# Altium PCB PCB.PcbDoc (part 1 of 3) (continued)
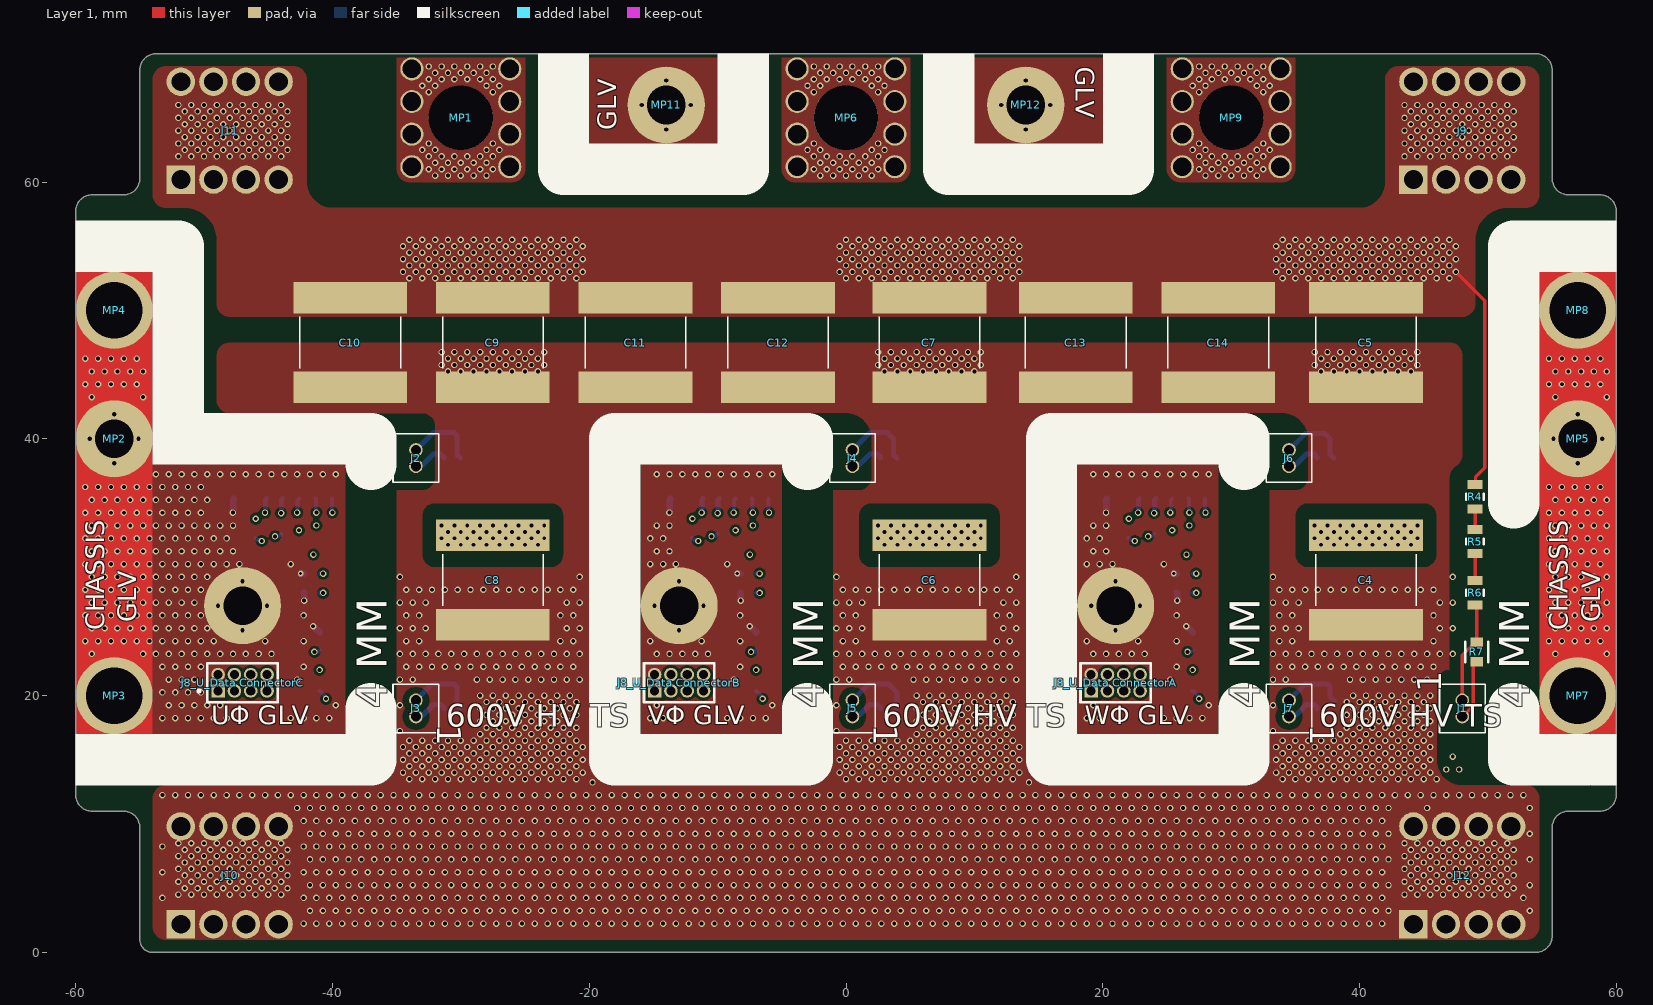
[diagram p0: Layer 1 view]
## Components (designator, comment, footprint, x,y, rotation, side; value= is the part's Value field where it differs from the comment)
C1_U_totemA "0.1µF 0603" "0µF 0603-Footprint-1" 25.4,32 r90 bottom (schematic designator C1)
C1_U_totemB "0.1µF 0603" "0µF 0603-Footprint-1" -8.6,32 r90 bottom (schematic designator C1)
C1_U_totemC "0.1µF 0603" "0µF 0603-Footprint-1" -42.6,32 r90 bottom (schematic designator C1)
C2_U_totemA "10µF 0603" "0µF 0603-Footprint-1" 26.4,28 r0 bottom (schematic designator C2)
C2_U_totemB "10µF 0603" "0µF 0603-Footprint-1" -7.6,28 r0 bottom (schematic designator C2)
C2_U_totemC "10µF 0603" "0µF 0603-Footprint-1" -41.6,28 r0 bottom (schematic designator C2)
C3_U_totemA "100nF 0603" "0µF 0603-Footprint-1" 26.4,29.5 r0 bottom (schematic designator C3)
C3_U_totemB "100nF 0603" "0µF 0603-Footprint-1" -7.6,29.5 r0 bottom (schematic designator C3)
C3_U_totemC "100nF 0603" "0µF 0603-Footprint-1" -41.6,29.5 r0 bottom (schematic designator C3)
C4 "B58031U9254M062" B58031U9254M062 40.5,29 r270 top
C5 "B58031U9254M062" B58031U9254M062 40.5,47.5 r270 top
C6 "B58031U9254M062" B58031U9254M062 6.5,29 r270 top
C7 "B58031U9254M062" B58031U9254M062 6.5,47.5 r270 top
C8 "B58031U9254M062" B58031U9254M062 -27.5,29 r270 top
C9 "B58031U9254M062" B58031U9254M062 -27.5,47.5 r270 top
C10 "B58031U9254M062" B58031U9254M062 -38.604,47.5 r270 top
C11 "B58031U9254M062" B58031U9254M062 -16.396,47.5 r270 top
C12 "B58031U9254M062" B58031U9254M062 -5.292,47.5 r270 top
C13 "B58031U9254M062" B58031U9254M062 17.896,47.5 r270 top
C14 "B58031U9254M062" B58031U9254M062 29,47.5 r270 top
FB1_U_totemA "MHF1608BAC182ATD25" BEADC1608X95N 26.9,32 r270 bottom (schematic designator FB1)
FB1_U_totemB "MHF1608BAC182ATD25" BEADC1608X95N -7.1,32 r270 bottom (schematic designator FB1)
FB1_U_totemC "MHF1608BAC182ATD25" BEADC1608X95N -41.1,32 r270 bottom (schematic designator FB1)
IC1_U_totemA "TMCS1126BFx" TMCS1126ADXQ1 23.5,40 r270 bottom (schematic designator IC1)
IC1_U_totemB "TMCS1126BFx" TMCS1126ADXQ1 -10.5,40 r270 bottom (schematic designator IC1)
IC1_U_totemC "TMCS1126BFx" TMCS1126ADXQ1 -44.5,40 r270 bottom (schematic designator IC1)
J1 "SLM-102-01-X-S" *SLM-102-01-X-S 48,19 r90 top
J2 "SLM-102-01-X-S" *SLM-102-01-X-S -33.5,38.5 r270 top
J3 "SLM-102-01-X-S" *SLM-102-01-X-S -33.5,19 r270 top
J4 "SLM-102-01-X-S" *SLM-102-01-X-S 0.5,38.5 r270 top
J5 "SLM-102-01-X-S" *SLM-102-01-X-S 0.5,19 r270 top
J6 "SLM-102-01-X-S" *SLM-102-01-X-S 34.5,38.5 r270 top
J7 "SLM-102-01-X-S" *SLM-102-01-X-S 34.5,19 r270 top
"J8_U_Data ConnectorA" "SFMC-104-01-L-D" *SAMTEC_SFMC-104-01-L-D_SFMC-104-01-L-D(PRIMARY) 21,21 r0 top (schematic designator J8)
"J8_U_Data ConnectorB" "SFMC-104-01-L-D" *SAMTEC_SFMC-104-01-L-D_SFMC-104-01-L-D(PRIMARY) -13,21 r0 top (schematic designator J8)
"J8_U_Data ConnectorC" "SFMC-104-01-L-D" *SAMTEC_SFMC-104-01-L-D_SFMC-104-01-L-D(PRIMARY) -47,21 r0 top (schematic designator J8)
J9 "7461084" 7461084 48,64 r0 top
J10 "7461084" 7461084 -48,6 r0 top
J11 "7461084" 7461084 -48,64 r0 top
J12 "7461084" 7461084 48,6 r0 top
MP1 "M5 x 6mm" 7460305_HAL -30,65 r90 top
MP2 "LCC 3mm" "PAD 3MM" -57,40 r0 top
MP3 "hole 3.3mm x 6mm" 9774060960 -57,20 r90 top
MP4 "hole 3.3mm x 6mm" 9774060960 -57,50 r90 top
MP5 "LCC 3mm" "PAD 3MM" 57,40 r90 top
MP6 "M5 x 6mm" 7460305_HAL 0,65 r90 top
MP7 "hole 3.3mm x 6mm" 9774060960 57,20 r90 top
MP8 "hole 3.3mm x 6mm" 9774060960 57,50 r90 top
MP9 "M5 x 6mm" 7460305_HAL 30,65 r90 top
MP10_U_totemA "LCC 3mm" "PAD 3MM" 21,27 r90 bottom (schematic designator MP10)
MP10_U_totemB "LCC 3mm" "PAD 3MM" -13,27 r90 bottom (schematic designator MP10)
MP10_U_totemC "LCC 3mm" "PAD 3MM" -47,27 r90 bottom (schematic designator MP10)
MP11 "LCC 3mm" "PAD 3MM" -14,66 r0 top
MP12 "LCC 3mm" "PAD 3MM" 14,66 r0 top
Q1_U_totemA "GEM T2PAK" "GEM T2PAK H3.6" 40.5,46.5 r180 bottom (schematic designator Q1)
Q1_U_totemB "GEM T2PAK" "GEM T2PAK H3.6" 6.5,46.5 r180 bottom (schematic designator Q1)
Q1_U_totemC "GEM T2PAK" "GEM T2PAK H3.6" -27.5,46.5 r180 bottom (schematic designator Q1)
Q2_U_totemA "GEM T2PAK" "GEM T2PAK H3.6" 40.5,27 r180 bottom (schematic designator Q2)
Q2_U_totemB "GEM T2PAK" "GEM T2PAK H3.6" 6.5,27 r180 bottom (schematic designator Q2)
Q2_U_totemC "GEM T2PAK" "GEM T2PAK H3.6" -27.5,27 r180 bottom (schematic designator Q2)
R1_U_totemA "10k" "RES 0603_1608"#1 27,21 r90 bottom value=1k (schematic designator R1)
R1_U_totemB "10k" "RES 0603_1608"#1 -7,21 r90 bottom value=1k (schematic designator R1)
R1_U_totemC "10k" "RES 0603_1608"#1 -41,21 r90 bottom value=1k (schematic designator R1)
R2_U_totemA "2.1kΩ" "RES 0603_1608"#2 22,32.9 r270 bottom (schematic designator R2)
R2_U_totemB "2.1kΩ" "RES 0603_1608"#2 -12,32.9 r270 bottom (schematic designator R2)
R2_U_totemC "2.1kΩ" "RES 0603_1608"#2 -46,32.9 r270 bottom (schematic designator R2)
R3_U_totemA "1.2kΩ" "RES 0603_1608"#2 24,32 r270 bottom (schematic designator R3)
R3_U_totemB "1.2kΩ" "RES 0603_1608"#2 -10,32 r270 bottom (schematic designator R3)
R3_U_totemC "1.2kΩ" "RES 0603_1608"#2 -44,32 r270 bottom (schematic designator R3)
R4 "KTR10EZPJ135" FP-KTR10-MFG 49,35.5 r90 top
R5 "KTR10EZPJ135" FP-KTR10-MFG 49,32 r90 top
R6 "KTR10EZPJ135" FP-KTR10-MFG 49,28 r90 top
R7 "CRCW06035K60FKEA" FP-CRCW0603-e3-MFG 49.129,23.397 r90 top
"RT1_U_Data ConnectorA" "NCU18XH103F6SRB" FP-NCU18-0_15-IPC_B 27,24.208 r270 bottom (schematic designator RT1)
"RT1_U_Data ConnectorB" "NCU18XH103F6SRB" FP-NCU18-0_15-IPC_B -7,24.208 r270 bottom (schematic designator RT1)
"RT1_U_Data ConnectorC" "NCU18XH103F6SRB" FP-NCU18-0_15-IPC_B -41,24.208 r270 bottom (schematic designator RT1)

## Footprints (in the part's own frame and the unit in brackets; to place one, negate y for a bottom-side part, rotate by r counter-clockwise, add the part's x,y. Pads: shape width x height; smd on the part's side, far side on the other; paste and mask are expansions set on the pad)
"0µF 0603-Footprint-1" [mm]
  rect 0.6x0.9 smd: 1(-0.625,0) 2(0.625,0)
  silkscreen extent 0,-0.48 0,0.47, body extent -0.8,-0.41 0.8,0.41, height 0.82
7460305_HAL [mm] "WP-BUTR Bushes with two Rows Pin-Plate, M5, blind thr 6mm"
  round 1.8 hole 1.45: 1(-3.81,-3.81) 1(-3.81,3.81) 1(-1.27,3.81) 1(-1.27,-3.81) 1(1.27,3.81) 1(1.27,-3.81) 1(3.81,-3.81) 1(3.81,3.81)
  round 5 hole 5: 1(0,0)
  body extent -4.5,-4.5 4.5,4.5, height 7
7461084 [mm]
  rect 2.213x2.213 hole 1.475: 1(-3.81,-3.81)
  round 2.213 hole 1.475: 2(-1.27,-3.81) 3(1.27,-3.81) 4(3.81,-3.81) 5(3.81,3.81) 6(1.27,3.81) 7(-1.27,3.81) 8(-3.81,3.81)
  body extent -5.06,-5.06 4.94,4.94, height 13.5
9774060960 [mm] "SMT Steel Spacer Internal hole diameter 3.3mm non stop, height 6mm"
  round 6 hole 4.4: 1(0,0)
  body extent -3,-3 3,3, height 6
*SAMTEC_SFMC-104-01-L-D_SFMC-104-01-L-D(PRIMARY) [mm]
  rect 1.06x1.06 hole 0.71: 01(-1.905,-0.635)
  round 1.06 hole 0.71: 02(-1.905,0.635) 03(-0.635,-0.635) 04(-0.635,0.635) 05(0.635,-0.635) 06(0.635,0.635) 07(1.905,-0.635) 08(1.905,0.635)
  silkscreen extent -3.48,-1.53 2.74,1.53, body extent -2.73,-1.99 2.73,1.99, height 4.7
*SLM-102-01-X-S [mil]
  round 42 hole 31: 1(25,0) 2(-25,0)
  silkscreen extent -74,-70 74,70, body extent -54,-50 54,50, height 180
B58031U9254M062 [mm]
  rect 2.45x8.85 smd mask+0.1: 1(-3.475,0) 2(3.475,0)
  silkscreen extent -2,-3.93 2,3.93, body extent -3.57,-3.93 3.57,3.93, height 4
BEADC1608X95N [mm]
  rect 0.9x1 smd: 1(-0.8,0) 2(0.8,0)
  silkscreen extent 0,-0.3 0,0.3, body extent -0.8,-0.4 0.8,0.4, height 0.95
FP-CRCW0603-e3-MFG [mm]
  rect 0.75x1 smd paste+0 mask+0: 1(-0.75,0) 2(0.75,0)
  silkscreen extent -0.8,-0.9 0.8,0.9, body extent -0.77,-0.43 0.77,0.43, height 0.5
FP-KTR10-MFG [mm]
  rect 0.7x1.15 smd paste+0 mask+0: 1(-0.95,0) 2(0.95,0)
  silkscreen extent -0.23,-0.67 0.23,0.67, body extent -1,-0.63 1,0.63, height 0.65
FP-NCU18-0_15-IPC_B [mm]
  rect 1.106x0.958 smd paste+0 mask+0: 1(-0.676,0) 2(0.676,0)
  silkscreen extent -1.23,-0.88 1.23,0.88, body extent -0.8,-0.4 0.8,0.4, height 0.95
"GEM T2PAK H3.6" [mm]
  rect 2.45x1.5 smd mask+0.01: D(-6.125,8.75) D(6.125,8.75)
  rect 0.9x3 smd mask+0.01: G(3.81,-8) KS(2.54,-8) S(-3.81,-8) S(-2.54,-8) S(-1.27,-8) S(0,-8) S(1.27,-8)
  silkscreen extent -7.25,-4.5 7.25,6, body extent -6.99,-9.4 7.02,9.18, height 3.56
"PAD 3MM" [mm]
  round 6 hole 3 paste+0 mask+0: 1(0,0)
"RES 0603_1608"#1 [mm] "Chip Resistor, 2-Leads, Body 1.60x0.80mm, IPC Medium Density"
  rect 0.85x0.95 smd: 1(-0.65,0) 2(0.65,0)
  silkscreen extent -1.27,-0.7 1.27,0.7, body extent -0.8,-0.4 0.8,0.4, height 0.45
"RES 0603_1608"#2 [mm]
  rect 0.65x0.85 smd: 1(-0.6,0) 2(0.6,0)
  silkscreen extent 0,-0.38 0,0.38, body extent -0.8,-0.4 0.8,0.4, height 0.45
TMCS1126ADXQ1 [mm]
  rect 2x4.41 smd: 1(-4.65,2.54) 2(-4.65,-2.54)
  rect 2x0.6 smd: 3(4.65,-4.445) 4(4.65,-3.175) 5(4.65,-1.905) 6(4.65,-0.635) 7(4.65,0.635) 8(4.65,1.905) 9(4.65,3.175) 10(4.65,4.445)
  body extent -3.75,-5.15 3.75,5.15, height 2.75

## Part data
C1_U_totemA C1_U_totemB C1_U_totemC C2_U_totemA C2_U_totemB C2_U_totemC C3_U_totemA C3_U_totemB C3_U_totemC: library part CMP-714-000037-1, "Generic 0603 Capacitor", componentlink1description=Datasheet, ComponentLink2Description="DigiKey Link"
C4 C5 C6 C7 C8 C9 C10 C11 C12 C13 C14: "Capacitor", Manufacturer_Name=TDK, Mouser Part Number=871-B58031U9254M062, Arrow Part Number=B58031U9254M062, Arrow Price/Stock=https://www.arrow.com/en/products/b58031u9254m062/tdk?region=europe, Datasheet Link=https://product.tdk.com/system/files/dam/doc/product/capacitor/ceramic/ceralink/data_sheet/20/10/ds/b58031_lp.pdf, Height=4.5mm, Manufacturer_Part_Number=B58031U9254M062, Mouser Price/Stock=https://www.mouser.co.uk/ProductDetail/EPCOS-TDK/B58031U9254M062?qs=Mv7BduZupUir5egwM6Ifng%3D%3D
FB1_U_totemA FB1_U_totemB FB1_U_totemC: "Filter", Manufacturer_Name=TDK, Mouser Part Number=810-MHF1608BAC182ATD, Arrow Part Number=MHF1608BAC182ATD25, Arrow Price/Stock=https://www.arrow.com/en/products/mhf1608bac182atd25/tdk?region=europe, Datasheet Link=https://product.tdk.com/system/files/dam/doc/product/emc/emc/suppression-filter/catalog/suppression-filter_automotive_mhf1608_en.pdf, Height=0.95mm, Manufacturer_Part_Number=MHF1608BAC182ATD25, Mouser Price/Stock=https://www.mouser.co.uk/ProductDetail/TDK/MHF1608BAC182ATD25?qs=sPbYRqrBIVkck8qVgrG13Q%3D%3D
IC1_U_totemA IC1_U_totemB IC1_U_totemC: library part TMCS1126ADx-Q1, "Integrated Circuit", Manufacturer_Name="Texas Instruments", Datasheet Link=https://www.ti.com/lit/ds/symlink/tmcs1126-q1.pdf?ts=1750416569069&ref_url=https%253A%252F%252Fwww.ti.com%252Fproduct%252FTMCS1126-Q1, Height=2.65mm, Manufacturer_Part_Number=TMCS1126ADx-Q1
J9 J10 J11 J12: "Connector", Manufacturer_Name="Wurth Elektronik", Mouser Part Number=710-7461084, Datasheet Link=https://www.we-online.com/components/products/download/3D+%28rev1%29.pdf, Height=13.5mm, Manufacturer_Part_Number=7461084, Mouser Price/Stock=https://www.mouser.co.uk/ProductDetail/Wurth-Elektronik/7461084?qs=lykWx4dhCCHlOeuPuO4BAQ%3D%3D
MP1 MP6 MP9: library part 7460305, "WP-BUTR REDCUBE PRESS-FIT with internal thread, two-rows, L9W9H7mm, M5 x 6mm, 160A", Manufacturer="Wurth Elektronik", Operating Temperature Max=150°C, Operating Temperature Min=-55°C, Rated Current=160A, Category="REDCUBE PRESS-FIT", componentlink1description="Website Link", componentlink1url=https://www.we-online.com/redexpert/article/7460305?ad, ComponentLink2Description="Datasheet Link", ComponentLink2URL=https://www.we-online.com/redexpert/spec/7460305?ad, Height=7mm, Length=9mm, Manufacturer Part Number=7460305, Match Code=WP-BUTR, Material=Brass, Mount="Press Fit", Number of Pins=8, packaging=Bulk, Surface=Tin, Thread Length=6mm, Thread Size=M5, Width=9mm
MP3 MP4 MP7 MP8: library part 9774060960R, "WA-SMST SMT Steel Spacer, OD 6mm, hole 3.3mm x 6mm", Manufacturer="Wurth Elektronik", Operating Temperature Max=150°C, Operating Temperature Min=-55°C, Category="SMT Spacers", componentlink1description="Website Link", componentlink1url=https://www.we-online.com/redexpert/article/9774060960R?ad, ComponentLink2Description="Datasheet Link", ComponentLink2URL=https://www.we-online.com/redexpert/spec/9774060960R?ad, Height=6mm, Inside Diameter=3.3mm, Manufacturer Part Number=9774060960R, Match Code=WA-SMST, Material=Steel, Mount="Surface Mount", Outside Diameter=6mm, packaging="Tape and Reel", Surface=Tin
R1_U_totemA R1_U_totemB R1_U_totemC: library part RNCS0603BKE10K0, "RES 10K OHM 0.1% 1/16W 0603", Device Package="0603 (1608 Metric)", Manufacturer="Stackpole Electronics Inc", Operating Temperature="-55°C ~ 155°C", Power (Watts)="0.063W, 1/16W", Ratings=AEC-Q200, Resistance="10 kOhms", Supplier Device Package=0603, Supplier Part Number 1=RNCS0603BKE10K0CT-ND, Temperature Coefficient=±25ppm/°C, Tolerance=±0.1%, componentlink1description=Datasheet, componentlink1url=https://www.seielect.com/catalog/sei-rncs_rnch.pdf, ComponentLink2Description="DigiKey Link", ComponentLink2URL=https://www.digikey.com/en/products/detail/stackpole-electronics-inc/RNCS0603BKE10K0/1708836, Composition="Thin Film", Features="Anti-Corrosive, Automotive AEC-Q200, Moisture Resistant", Height - Seated (Max)="0.022\" (0.55mm)", lastupdated="2/9/2024 8:43:37 PM", Lifecycle Status=Active, Minimum Order=1, Number of Terminations=2, Package / Case="0603 (1608 Metric)", packaging=TapeAndReel, Part Number=RNCS0603BKE10K0, Part Status=Active, partid=4838, Price=0.06, Series=RNCS, Size / Dimension="0.061\" L x 0.031\" W (1.55mm x 0.80mm)", Supplier 1=DigiKey
R2_U_totemA R2_U_totemB R2_U_totemC R3_U_totemA R3_U_totemB R3_U_totemC: library part CMP-650-000035-3, "Generic 0603 Resistor"
R4 R5 R6: library part CMP-08839-031194-1, "Res Thick Film 0805 1.3MΩ 5% 0.125W ±200ppm/°C Automotive Paper T/R", Case/Package=0805, Max Operating Temperature=155°C, Max Power Dissipation=125mW, Min Operating Temperature=-55°C, Package Quantity=5000, Resistance=1.3MR, Resistor Type="Thick Film", Temperature Coefficient=200ppm/°C, Tolerance=5%, Height=0.026inch, Length=0.079inch, Number of Terminations=2, packaging="Tape and Reel", RoHS Compliant=Yes, Series=KTR10, Width=0.049inch
R7: library part CMP-2000-03487-2, "RES Thick Film, 5.6kΩ, 1%, 0.1W, 100ppm/°C, 0603", Case Code (Imperial)=0603, Case Code (Metric)=1608, Max Operating Temperature=155°C, Min Operating Temperature=-55°C, Package Quantity=5000, Power Rating=100mW, Resistance=5.6kR, Temperature Coefficient=100ppm/°C, Tolerance=1%, Voltage Rating=75V, Case/Package=0603, Composition="Thick Film", Contact Plating=Tin, Depth=0.85mm, Height=0.45mm, Lead Free="Lead Free", Length=1.55mm, Military Standard=Not, Mount="Surface Mount", Number of Pins=2, Number of Terminations=2, packaging="Tape and Reel", Radiation Hardening=No, Termination=SMD/SMT, Voltage Rating (DC)=75V, Weight=7.1E-05oz, Width=0.85mm, Working Voltage=75V
"RT1_U_Data ConnectorA" "RT1_U_Data ConnectorB" "RT1_U_Data ConnectorC": library part CMP-06022-000547-2, "THERMISTOR NTC", Case Code (Imperial)=0603, Case Code (Metric)=1608, Max Operating Temperature=150°C, Min Operating Temperature=-40°C, Case/Package=0603, REACH SVHC="No SVHC", RoHS Compliant=Yes

## Via types
v1: diameter 0.5, hole 0.3, Layer 1 to Layer 4, tented both sides, 3066 vias
v2: diameter 0.635, hole 0.33, Layer 1 to Layer 4, tented both sides, 21 vias
v3: diameter 0.635, hole 0.33, Layer 1 to Layer 4, 7 vias
v4: diameter 0.45, hole 0.25, Layer 1 to Layer 4, tented both sides, 3 vias

## Nets (pads, with @x,y where several pads share a name; then routed paths per layer and width w, separated by ;. In a path a pad name is that pad's centre, name@x,y a point inside that pad or via, vN(x,y) a via of type N, cw(c..) or ccw(c..) an arc to the next point about the centre after c; other vN are vias at no path point)
3V_U_totemA: "J8_U_Data ConnectorA.03" C2_U_totemA.2 C3_U_totemA.2 FB1_U_totemA.2 R1_U_totemA.2 | length 18.5
  Layer 3 w0.4: 20.365,20.365 20.365,20.32 21.25,19.435 21.295,19.435 21.876,18.854 23.531,18.854 24.112,19.435 24.435,19.435 27.019,22.019 27.019,22.846 27.275,23.102 v1(27.275,28) v1(27.275,29.5) 26.519,30.256 v1(26.519,30.981)
  Layer 4 w0.4: C2_U_totemA.2@27.025,28 v1(27.275,28) ; C3_U_totemA.2@27.025,29.5 v1(27.275,29.5)
  other v1: 27,22
3V_U_totemB: "J8_U_Data ConnectorB.03" C2_U_totemB.2 C3_U_totemB.2 FB1_U_totemB.2 R1_U_totemB.2 | length 18.5
  Layer 3 w0.4: -13.635,20.365 -13.635,20.32 -12.75,19.435 -12.705,19.435 -12.124,18.854 -10.469,18.854 -9.888,19.435 -9.565,19.435 -6.981,22.019 -6.981,22.846 -6.725,23.102 v1(-6.725,28) v1(-6.725,29.5) -7.481,30.256 v1(-7.481,30.981)
  Layer 4 w0.4: C2_U_totemB.2@-6.975,28 v1(-6.725,28) ; C3_U_totemB.2@-6.975,29.5 v1(-6.725,29.5)
  other v1: -7,22
3V_U_totemC: "J8_U_Data ConnectorC.03" C2_U_totemC.2 C3_U_totemC.2 FB1_U_totemC.2 R1_U_totemC.2 | length 18.5
  Layer 3 w0.4: -47.635,20.365 -47.635,20.32 -46.75,19.435 -46.705,19.435 -46.124,18.854 -44.469,18.854 -43.888,19.435 -43.565,19.435 -40.981,22.019 -40.981,22.846 -40.725,23.102 v1(-40.725,28) v1(-40.725,29.5) -41.481,30.256 v1(-41.481,30.981)
  Layer 4 w0.4: C2_U_totemC.2@-40.975,28 v1(-40.725,28) ; C3_U_totemC.2@-40.975,29.5 v1(-40.725,29.5)
  other v1: -41,22
\O\C\_\D\E\T\_U_totemA: "J8_U_Data ConnectorA.01" IC1_U_totemA.3 R1_U_totemA.1 | length 26.8
  Layer 3 w0.3: 19.095,20.365 21.156,18.304 23.759,18.304 24.34,18.885 26.689,18.885 27.5,19.696 v1(27.5,19.75) 27.554,19.75 28.25,20.446 28.25,27.196 28,27.446 v1(28,34.25)
  Layer 4 w0.3: R1_U_totemA.1@27,20.35 27.05,20.35 27.462,19.938 27.462,19.788 v1(27.5,19.75) ; IC1_U_totemA.3@27.945,35.35 27.972,35.322 27.972,34.278 v1(28,34.25)
\O\C\_\D\E\T\_U_totemB: "J8_U_Data ConnectorB.01" IC1_U_totemB.3 R1_U_totemB.1 | length 26.8
  Layer 3 w0.3: -14.905,20.365 -12.844,18.304 -10.241,18.304 -9.66,18.885 -7.311,18.885 -6.5,19.696 v1(-6.5,19.75) -6.446,19.75 -5.75,20.446 -5.75,27.196 -6,27.446 v1(-6,34.25)
  Layer 4 w0.3: R1_U_totemB.1@-7,20.35 -6.95,20.35 -6.538,19.938 -6.538,19.788 v1(-6.5,19.75) ; IC1_U_totemB.3@-6.055,35.35 -6.028,35.322 -6.028,34.278 v1(-6,34.25)
\O\C\_\D\E\T\_U_totemC: "J8_U_Data ConnectorC.01" IC1_U_totemC.3 R1_U_totemC.1 | length 26.8
  Layer 3 w0.3: -48.905,20.365 -46.844,18.304 -44.241,18.304 -43.66,18.885 -41.311,18.885 -40.5,19.696 v1(-40.5,19.75) -40.446,19.75 -39.75,20.446 -39.75,27.196 -40,27.446 v1(-40,34.25)
  Layer 4 w0.3: R1_U_totemC.1@-41,20.35 -40.95,20.35 -40.538,19.938 -40.538,19.788 v1(-40.5,19.75) ; IC1_U_totemC.3@-40.055,35.35 -40.028,35.322 -40.028,34.278 v1(-40,34.25)
A_G_IN_U_totemA: J6.1 Q1_U_totemA.G | length 2.8
  Layer 4 w0.4: J6.1@34.5,37.865 34.628,37.993 35.052,37.993 35.874,38.815 36.44,38.815 36.69,38.565 Q1_U_totemA.G@36.69,38.5
A_G_IN_U_totemB: J4.1 Q1_U_totemB.G | length 2.8
  Layer 4 w0.4: J4.1@0.5,37.865 0.628,37.993 1.052,37.993 1.874,38.815 2.44,38.815 2.69,38.565 Q1_U_totemB.G@2.69,38.5
A_G_IN_U_totemC: J2.1 Q1_U_totemC.G | length 2.8
  Layer 4 w0.4: J2.1@-33.5,37.865 -33.372,37.993 -32.948,37.993 -32.126,38.815 -31.56,38.815 -31.31,38.565 Q1_U_totemC.G@-31.31,38.5
A_LOW_U_totemA: J6.2 Q1_U_totemA.KS | length 5.5
  Layer 4 w0.4: J6.2@34.5,39.135 35.765,40.4 37.306,40.4 37.71,39.996 37.71,38.75 Q1_U_totemA.KS@37.96,38.5
A_LOW_U_totemB: J4.2 Q1_U_totemB.KS | length 5.6
  Layer 4 w0.4: J4.2@0.5,39.135 1.865,40.5 3.206,40.5 3.71,39.996 3.71,38.75 Q1_U_totemB.KS@3.96,38.5
A_LOW_U_totemC: J2.2 Q1_U_totemC.KS | length 5.7
  Layer 4 w0.4: J2.2@-33.5,39.135 -32.135,40.5 -30.524,40.5 -30.29,40.266 -30.29,38.75 Q1_U_totemC.KS@-30.04,38.5
B_G_IN_U_totemA: J7.1 Q2_U_totemA.G | length 2.8
  Layer 4 w0.4: J7.1@34.5,18.365 34.628,18.493 35.052,18.493 35.874,19.315 36.44,19.315 36.69,19.065 Q2_U_totemA.G@36.69,19
B_G_IN_U_totemB: J5.1 Q2_U_totemB.G | length 2.8
  Layer 4 w0.4: J5.1@0.5,18.365 0.628,18.493 1.052,18.493 1.874,19.315 2.44,19.315 2.69,19.065 Q2_U_totemB.G@2.69,19
B_G_IN_U_totemC: J3.1 Q2_U_totemC.G | length 2.8
  Layer 4 w0.4: J3.1@-33.5,18.365 -33.372,18.493 -32.948,18.493 -32.126,19.315 -31.56,19.315 -31.31,19.065 Q2_U_totemC.G@-31.31,19
B_LOW_U_totemA: J7.2 Q2_U_totemA.KS | length 5
  Layer 4 w0.4: J7.2@34.5,19.635 35.765,20.9 37.476,20.9 37.71,20.666 37.71,19.894 Q2_U_totemA.KS@38,19.604
B_LOW_U_totemB: J5.2 Q2_U_totemB.KS | length 5.5
  Layer 4 w0.4: J5.2@0.5,19.635 1.765,20.9 3.306,20.9 3.96,20.246 3.96,20.05 3.96,19.525 Q2_U_totemB.KS@3.96,19
B_LOW_U_totemC: J3.2 Q2_U_totemC.KS | length 5.6
  Layer 4 w0.4: J3.2@-33.5,19.635 -32.235,20.9 -30.524,20.9 -30.29,20.666 -30.29,19.25 Q2_U_totemC.KS@-30.04,19
CHASSIS_L: "J8_U_Data ConnectorC.02" "RT1_U_Data ConnectorC.1" C1_U_totemC.1 C2_U_totemC.1 C3_U_totemC.1 IC1_U_totemC.9 MP2.1 MP3.1 MP4.1 MP10_U_totemC.1 R3_U_totemC.2 | length 2.8
  Layer 4 w0.508: v1(-47.75,34.25) -47.721,34.279 -47.721,35.304 IC1_U_totemC.9@-47.675,35.35 ; v4(-42.475,29.5) C3_U_totemC.1@-42.225,29.5 ; C2_U_totemC.1@-42.225,28 -42.2,28 v1(-42.2,27.4) ; v1(-41.5,25.4) -41.283,25.183 -41.225,25.183 -41,24.958 -41,24.884
  other v1: -53.246,18.245 -52.246,18.245 -51.246,18.245 -50.246,18.245 -49.246,18.245 -48.246,18.245 -43.246,18.245 -42.246,18.245 -41.246,18.245 -40.246,18.245 -52.746,19.245 -51.746,19.245 -50.746,19.245 -49.746,19.245 -48.746,19.245 -39.746,19.245 -53.246,20.245 -52.246,20.245 -51.246,20.245 -50.246,20.245 -52.746,21.245 -51.746,21.245 -50.746,21.245 -42.746,21.245 -53.246,22.245 -52.246,22.245 -51.246,22.245 -50.246,22.245 -42.246,22.245 -58.746,23.245 -54.746,23.245 -53.746,23.245 -52.746,23.245 -51.746,23.245 -50.746,23.245 -49.746,23.245 -48.746,23.245 -47.746,23.245 -46.746,23.245 -45.746,23.245 -44.746,23.245 -59.246,24.245 -58.246,24.245 -57.246,24.245 -56.246,24.245 -55.246,24.245 -54.246,24.245 -53.246,24.245 -52.246,24.245 -51.246,24.245 -50.246,24.245 -49.246,24.245 -45.246,24.245 -42.246,24.245 -58.746,25.245 -57.746,25.245 -56.746,25.245 -55.746,25.245 -54.746,25.245 -53.746,25.245 -52.746,25.245 -51.746,25.245 -50.746,25.245 -49.746,25.245 -59.246,26.245 -58.246,26.245 -57.246,26.245 -56.246,26.245 -55.246,26.245 -54.246,26.245 -53.246,26.245 -52.246,26.245 -51.246,26.245 -50.246,26.245 -42.246,26.245 -58.746,27.245 -57.746,27.245 -56.746,27.245 -55.746,27.245 -54.746,27.245 -53.746,27.245 -52.746,27.245 -51.746,27.245 -50.746,27.245 -59.246,28.245 -58.246,28.245 -57.246,28.245 -56.246,28.245 -55.246,28.245 -54.246,28.245 -53.246,28.245 -52.246,28.245 -51.246,28.245 -50.246,28.245 -58.746,29.245 -57.746,29.245 -56.746,29.245 -55.746,29.245 -54.746,29.245 -53.746,29.245 -52.746,29.245 -51.746,29.245 -50.746,29.245 -49.746,29.245 -59.246,30.245 -58.246,30.245 -57.246,30.245 -56.246,30.245 -55.246,30.245 -54.246,30.245 -53.246,30.245 -52.246,30.245 -51.246,30.245 -50.246,30.245 -49.246,30.245 -48.246,30.245 -47.246,30.245 -43.246,30.245 -58.746,31.245 -57.746,31.245 -56.746,31.245 -55.746,31.245 -54.746,31.245 -53.746,31.245 -52.746,31.245 -51.746,31.245 -50.746,31.245 -49.746,31.245 -48.746,31.245 -47.746,31.245 -59.246,32.245 -58.246,32.245 -57.246,32.245 -56.246,32.245 -55.246,32.245 -54.246,32.245 -53.246,32.245 -52.246,32.245 -51.246,32.245 -50.246,32.245 -49.246,32.245 -48.246,32.245 -58.746,33.245 -57.746,33.245 -56.746,33.245 -55.746,33.245 -54.746,33.245 -53.746,33.245 -52.746,33.245 -51.746,33.245 -50.746,33.245 -49.746,33.245 -48.746,33.245 -47.746,33.245 -59.246,34.245 -58.246,34.245 -57.246,34.245 -56.246,34.245 -55.246,34.245 -54.246,34.245 -53.246,34.245 -52.246,34.245 -51.246,34.245 -50.246,34.245 -58.746,35.245 -57.746,35.245 -56.746,35.245 -55.746,35.245 -54.746,35.245 -53.746,35.245 -52.746,35.245 -51.746,35.245 -50.746,35.245 -49.746,35.245 -59.246,36.245 -58.246,36.245 -57.246,36.245 -56.246,36.245 -55.246,36.245 -54.246,36.245 -53.246,36.245 -52.246,36.245 -51.246,36.245 -50.246,36.245 -53.746,37.245 -52.746,37.245 -51.746,37.245 -50.746,37.245 -49.746,37.245 -48.746,37.245 -47.746,37.245 -46.746,37.245 -45.746,37.245 -44.746,37.245 -43.746,37.245 -42.746,37.245 -41.746,37.245 -40.746,37.245 -39.746,37.245 -58.746,43.245 -54.746,43.245 -59.246,44.245 -58.246,44.245 -57.246,44.245 -56.246,44.245 -55.246,44.245 -58.746,45.245 -57.746,45.245 -56.746,45.245 -55.746,45.245 -54.746,45.245 -59.246,46.245 -58.246,46.245 -57.246,46.245 -56.246,46.245 -55.246,46.245
  other v2: -47,25.095 -48.905,27 -47,28.905 -57,38.095 -58.905,40 -55.095,40
  other v3: -45.095,27 -57,41.905
CHASSIS_R: MP5.1 MP7.1 MP8.1
  other v1: 55.255,23.245 59.255,23.245 54.755,24.245 55.755,24.245 56.755,24.245 57.755,24.245 58.755,24.245 55.255,25.245 56.255,25.245 57.255,25.245 58.255,25.245 59.255,25.245 54.755,26.245 55.755,26.245 56.755,26.245 57.755,26.245 58.755,26.245 55.255,27.245 56.255,27.245 57.255,27.245 58.255,27.245 59.255,27.245 54.755,28.245 55.755,28.245 56.755,28.245 57.755,28.245 58.755,28.245 55.255,29.245 56.255,29.245 57.255,29.245 58.255,29.245 59.255,29.245 54.755,30.245 55.755,30.245 56.755,30.245 57.755,30.245 58.755,30.245 55.255,31.245 56.255,31.245 57.255,31.245 58.255,31.245 59.255,31.245 54.755,32.245 55.755,32.245 56.755,32.245 57.755,32.245 58.755,32.245 55.255,33.245 56.255,33.245 57.255,33.245 58.255,33.245 59.255,33.245 54.755,34.245 55.755,34.245 56.755,34.245 57.755,34.245 58.755,34.245 55.255,35.245 56.255,35.245 57.255,35.245 58.255,35.245 59.255,35.245 54.755,36.245 55.755,36.245 56.755,36.245 57.755,36.245 58.755,36.245 55.255,43.245 59.255,43.245 54.755,44.245 55.755,44.245 56.755,44.245 57.755,44.245 58.755,44.245 55.255,45.245 56.255,45.245 57.255,45.245 58.255,45.245 59.255,45.245 54.755,46.245 55.755,46.245 56.755,46.245 57.755,46.245 58.755,46.245
  other v2: 57,38.095 58.905,40 57,41.905
  other v3: 55.095,40
CURR_SENSE_U_totemA_N: "J8_U_Data ConnectorA.04" IC1_U_totemA.7 R2_U_totemA.1 | length 20.3
  Layer 3 w0.381: 20.365,21.635 20.365,21.639 21.262,22.536 23.278,22.536 23.686,22.128 24.001,22.128 24.391,22.517 24.391,28.404 22.404,30.391 22.306,30.391 20.949,31.747 20.949,33.089 21.544,33.684 v1@22,33.684 ; v1@22,33.72 22,33.743 22.055,33.798 22.467,33.798 22.727,34.058 22.727,34.227 v1(22.75,34.25)
  Layer 4 w0.381: v1(22.75,34.25) 22.773,34.273 22.773,35.258 IC1_U_totemA.7@22.865,35.35
  other v1: 22.032,33.775
CURR_SENSE_U_totemA_P: "J8_U_Data ConnectorA.05" IC1_U_totemA.6 | length 22.1
  Layer 3 w0.381: 21.635,20.365 21.635,20.333 22.524,19.445 23.286,19.445 23.826,19.984 23.826,21.16 24.158,21.493 24.264,21.493 25.026,22.254 25.026,28.667 22.667,31.026 22.569,31.026 21.584,32.01 21.584,32.704 21.652,32.772 21.652,32.894 21.663,32.883 21.763,32.883 21.786,32.906 22.837,32.906 23.619,33.688 23.619,33.837 v1(24,34.218)
  Layer 4 w0.381: IC1_U_totemA.6@24.135,35.35 24.026,35.24 v1@24.026,34.308 ; v1@24.023,34.273 24.026,34.276 v1@24.026,34.308 ; v1@24.023,34.273 24,34.25 v1(24,34.218) 24.023,34.241 v1@24.023,34.273 ; v1@24.023,34.273 24.023,34.305 v1@24.026,34.308
CURR_SENSE_U_totemB_N: "J8_U_Data ConnectorB.04" IC1_U_totemB.7 R2_U_totemB.1 | length 20.3
  Layer 3 w0.381: -13.635,21.635 -13.635,21.639 -12.738,22.536 -10.722,22.536 -10.314,22.128 -9.999,22.128 -9.61,22.517 -9.61,28.404 -11.596,30.391 -11.694,30.391 -13.051,31.747 -13.051,33.089 -12.456,33.684 v1@-12,33.684 ; v1@-12,33.72 -12,33.743 -11.945,33.798 -11.533,33.798 -11.273,34.058 -11.273,34.227 v1(-11.25,34.25)
  Layer 4 w0.381: v1(-11.25,34.25) -11.227,34.273 -11.227,35.258 IC1_U_totemB.7@-11.135,35.35
  other v1: -11.968,33.775
CURR_SENSE_U_totemB_P: "J8_U_Data ConnectorB.05" IC1_U_totemB.6 | length 22.1
  Layer 3 w0.381: -12.365,20.365 -12.365,20.333 -11.476,19.445 -10.714,19.445 -10.175,19.984 -10.175,21.16 -9.842,21.493 -9.736,21.493 -8.975,22.254 -8.975,28.667 -11.333,31.026 -11.431,31.026 -12.416,32.01 -12.416,32.704 -12.348,32.772 -12.348,32.894 -12.337,32.883 -12.237,32.883 -12.214,32.906 -11.163,32.906 -10.381,33.688 -10.381,33.837 v1(-10,34.218)
  Layer 4 w0.381: IC1_U_totemB.6@-9.865,35.35 -9.975,35.24 v1@-9.975,34.308 ; v1@-9.977,34.273 -10,34.25 v1(-10,34.218) -9.977,34.241 v1@-9.977,34.273 ; v1@-9.977,34.273 -9.975,34.276 v1@-9.975,34.308 ; v1@-9.977,34.273 -9.977,34.305 v1@-9.975,34.308
CURR_SENSE_U_totemC_N: "J8_U_Data ConnectorC.04" IC1_U_totemC.7 R2_U_totemC.1 | length 20.3
  Layer 3 w0.381: -47.635,21.635 -47.635,21.639 -46.738,22.536 -44.722,22.536 -44.314,22.128 -43.999,22.128 -43.609,22.517 -43.609,28.404 -45.596,30.391 -45.694,30.391 -47.051,31.747 -47.051,33.089 -46.456,33.684 v1@-46,33.684 ; v1@-46,33.72 -46,33.743 -45.945,33.798 -45.533,33.798 -45.273,34.058 -45.273,34.227 v1(-45.25,34.25)
  Layer 4 w0.381: v1(-45.25,34.25) -45.227,34.273 -45.227,35.258 IC1_U_totemC.7@-45.135,35.35
  other v1: -45.968,33.775
CURR_SENSE_U_totemC_P: "J8_U_Data ConnectorC.05" IC1_U_totemC.6 | length 22.1
  Layer 3 w0.381: -46.365,20.365 -46.365,20.333 -45.476,19.445 -44.714,19.445 -44.174,19.984 -44.174,21.16 -43.842,21.493 -43.736,21.493 -42.974,22.254 -42.974,28.667 -45.333,31.026 -45.431,31.026 -46.416,32.01 -46.416,32.704 -46.348,32.772 -46.348,32.894 -46.337,32.883 -46.237,32.883 -46.214,32.906 -45.163,32.906 -44.381,33.688 -44.381,33.837 v1(-44,34.218)
  Layer 4 w0.381: IC1_U_totemC.6@-43.865,35.35 -43.974,35.24 v1@-43.974,34.308 ; v1@-43.977,34.273 -44,34.25 v1(-44,34.218) -43.977,34.241 v1@-43.977,34.273 ; v1@-43.977,34.273 -43.974,34.276 v1@-43.974,34.308 ; v1@-43.977,34.273 -43.977,34.305 v1@-43.974,34.308
"GND_U_Data ConnectorA": "J8_U_Data ConnectorA.02" "RT1_U_Data ConnectorA.1" C1_U_totemA.1 C2_U_totemA.1 C3_U_totemA.1 IC1_U_totemA.9 MP10_U_totemA.1 R3_U_totemA.2 | length 2.8
  Layer 4 w0.508: v1(20.25,34.25) 20.279,34.279 20.279,35.304 IC1_U_totemA.9@20.325,35.35 ; v4(25.525,29.5) C3_U_totemA.1@25.775,29.5 ; C2_U_totemA.1@25.775,28 25.8,28 v1(25.8,27.4) ; v1(26.5,25.4) 26.717,25.183 26.775,25.183 27,24.958 27,24.884
  other v1: 18.755,18.245 19.755,18.245 24.755,18.245 25.755,18.245 26.755,18.245 27.755,18.245 19.255,19.245 28.255,19.245 25.255,21.245 25.755,22.245 19.255,23.245 20.255,23.245 21.255,23.245 22.255,23.245 23.255,23.245 18.755,24.245 22.755,24.245 25.755,24.245 25.755,26.245 18.755,30.245 19.755,30.245 20.755,30.245 24.755,30.245 19.255,31.245 20.255,31.245 18.755,32.245 19.755,32.245 19.255,33.245 20.255,33.245 19.255,37.245 20.255,37.245 21.255,37.245 22.255,37.245 23.255,37.245 24.255,37.245 25.255,37.245 26.255,37.245 27.255,37.245 28.255,37.245
  other v2: 21,25.095 19.095,27 21,28.905
  other v3: 22.905,27
"GND_U_Data ConnectorB": "J8_U_Data ConnectorB.02" "RT1_U_Data ConnectorB.1" C1_U_totemB.1 C2_U_totemB.1 C3_U_totemB.1 IC1_U_totemB.9 MP10_U_totemB.1 R3_U_totemB.2 | length 2.8
  Layer 4 w0.508: v1(-13.75,34.25) -13.721,34.279 -13.721,35.304 IC1_U_totemB.9@-13.675,35.35 ; v4(-8.475,29.5) C3_U_totemB.1@-8.225,29.5 ; C2_U_totemB.1@-8.225,28 -8.2,28 v1(-8.2,27.4) ; v1(-7.5,25.4) -7.283,25.183 -7.225,25.183 -7,24.958 -7,24.884
  other v1: -15.245,18.245 -14.245,18.245 -9.245,18.245 -8.245,18.245 -7.245,18.245 -6.245,18.245 -14.745,19.245 -5.745,19.245 -8.745,21.245 -8.245,22.245 -14.745,23.245 -13.745,23.245 -12.745,23.245 -11.745,23.245 -10.745,23.245 -15.245,24.245 -11.245,24.245 -8.245,24.245 -8.245,26.245 -15.245,30.245 -14.245,30.245 -13.245,30.245 -9.245,30.245 -14.745,31.245 -13.745,31.245 -15.245,32.245 -14.245,32.245 -14.745,33.245 -13.745,33.245 -14.745,37.245 -13.745,37.245 -12.745,37.245 -11.745,37.245 -10.745,37.245 -9.745,37.245 -8.745,37.245 -7.745,37.245 -6.745,37.245 -5.745,37.245
  other v2: -13,25.095 -14.905,27 -13,28.905
  other v3: -11.095,27
HV+_1: C4.1 C5.1 C6.1 C7.1 C8.1 C9.1 C10.1 C11.1 C12.1 C13.1 C14.1 J9.1 J9.2 J9.3 J9.4 J9.5 J9.6 J9.7 J9.8 J11.1 J11.2 J11.3 J11.4 J11.5 J11.6 J11.7 J11.8 Q1_U_totemA.D Q1_U_totemB.D Q1_U_totemC.D R4.2 | length 17.8
  Layer 1 w0.254: v1(47.5,53) 49.75,50.75 49.75,37.75 49.032,37.032 49.032,36.482 R4.2@49,36.45
  other v1: -31,31.75 -30,31.75 -29,31.75 -28,31.75 -27,31.75 -26,31.75 -25,31.75 -24,31.75 3,31.75 4,31.75 5,31.75 6,31.75 7,31.75 8,31.75 9,31.75 10,31.75 37,31.75 38,31.75 39,31.75 40,31.75 41,31.75 42,31.75 43,31.75 44,31.75 -31.5,32.25 -30.5,32.25 -29.5,32.25 -28.5,32.25 -27.5,32.25 -26.5,32.25 -25.5,32.25 -24.5,32.25 -23.5,32.25 2.5,32.25 3.5,32.25 4.5,32.25 5.5,32.25 6.5,32.25 7.5,32.25 8.5,32.25 9.5,32.25 10.5,32.25 36.5,32.25 37.5,32.25 38.5,32.25 39.5,32.25 40.5,32.25 41.5,32.25 42.5,32.25 43.5,32.25 44.5,32.25 -31,32.75 -30,32.75 -29,32.75 -28,32.75 -27,32.75 -26,32.75 -25,32.75 -24,32.75 3,32.75 4,32.75 5,32.75 6,32.75 7,32.75 8,32.75 9,32.75 10,32.75 37,32.75 38,32.75 39,32.75 40,32.75 41,32.75 42,32.75 43,32.75 44,32.75 -31.5,33.25 -30.5,33.25 -29.5,33.25 -28.5,33.25 -27.5,33.25 -26.5,33.25 -25.5,33.25 -24.5,33.25 -23.5,33.25 2.5,33.25 3.5,33.25 4.5,33.25 5.5,33.25 6.5,33.25 7.5,33.25 8.5,33.25 9.5,33.25 10.5,33.25 36.5,33.25 37.5,33.25 38.5,33.25 39.5,33.25 40.5,33.25 41.5,33.25 42.5,33.25 43.5,33.25 44.5,33.25 -34,52.5 -33,52.5 -32,52.5 -31,52.5 -30,52.5 -29,52.5 -28,52.5 -27,52.5 -26,52.5 -25,52.5 -24,52.5 -23,52.5 -22,52.5 -21,52.5 0,52.5 1,52.5 2,52.5 3,52.5 4,52.5 5,52.5 6,52.5 7,52.5 8,52.5 9,52.5 10,52.5 11,52.5 12,52.5 13,52.5 34,52.5 35,52.5 36,52.5 37,52.5 38,52.5 39,52.5 40,52.5 41,52.5 42,52.5 43,52.5 44,52.5 45,52.5 46,52.5 47,52.5 -34.5,53 -33.5,53 -32.5,53 -31.5,53 -30.5,53 -29.5,53 -28.5,53 -27.5,53 -26.5,53 -25.5,53 -24.5,53 -23.5,53 -22.5,53 -21.5,53 -20.5,53 -0.5,53 0.5,53 1.5,53 2.5,53 3.5,53 4.5,53 5.5,53 6.5,53 7.5,53 8.5,53 9.5,53 10.5,53 11.5,53 12.5,53 13.5,53 33.5,53 34.5,53 35.5,53 36.5,53 37.5,53 38.5,53 39.5,53 40.5,53 41.5,53 42.5,53 43.5,53 44.5,53 45.5,53 46.5,53 -34,53.5 -33,53.5 -32,53.5 -31,53.5 -30,53.5 -29,53.5 -28,53.5 -27,53.5 -26,53.5 -25,53.5 -24,53.5 -23,53.5 -22,53.5 -21,53.5 0,53.5 1,53.5 2,53.5 3,53.5 4,53.5 5,53.5 6,53.5 7,53.5 8,53.5 9,53.5 10,53.5 11,53.5 12,53.5 13,53.5 34,53.5 35,53.5 36,53.5 37,53.5 38,53.5 39,53.5 40,53.5 41,53.5 42,53.5 43,53.5 44,53.5 45,53.5 46,53.5 47,53.5 -34.5,54 -33.5,54 -32.5,54 -31.5,54 -30.5,54 -29.5,54 -28.5,54 -27.5,54 -26.5,54 -25.5,54 -24.5,54 -23.5,54 -22.5,54 -21.5,54 -20.5,54 -0.5,54 0.5,54 1.5,54 2.5,54 3.5,54 4.5,54 5.5,54 6.5,54 7.5,54 8.5,54 9.5,54 10.5,54 11.5,54 12.5,54 13.5,54 33.5,54 34.5,54 35.5,54 36.5,54 37.5,54 38.5,54 39.5,54 40.5,54 41.5,54 42.5,54 43.5,54 44.5,54 45.5,54 46.5,54 47.5,54 -34,54.5 -33,54.5 -32,54.5 -31,54.5 -30,54.5 -29,54.5 -28,54.5 -27,54.5 -26,54.5 -25,54.5 -24,54.5 -23,54.5 -22,54.5 -21,54.5 0,54.5 1,54.5 2,54.5 3,54.5 4,54.5 5,54.5 6,54.5 7,54.5 8,54.5 9,54.5 10,54.5 11,54.5 12,54.5 13,54.5 34,54.5 35,54.5 36,54.5 37,54.5 38,54.5 39,54.5 40,54.5 41,54.5 42,54.5 43,54.5 44,54.5 45,54.5 46,54.5 47,54.5 -34.5,55 -33.5,55 -32.5,55 -31.5,55 -30.5,55 -29.5,55 -28.5,55 -27.5,55 -26.5,55 -25.5,55 -24.5,55 -23.5,55 -22.5,55 -21.5,55 -20.5,55 -0.5,55 0.5,55 1.5,55 2.5,55 3.5,55 4.5,55 5.5,55 6.5,55 7.5,55 8.5,55 9.5,55 10.5,55 11.5,55 12.5,55 13.5,55 33.5,55 34.5,55 35.5,55 36.5,55 37.5,55 38.5,55 39.5,55 40.5,55 41.5,55 42.5,55 43.5,55 44.5,55 45.5,55 46.5,55 47.5,55 -34,55.5 -33,55.5 -32,55.5 -31,55.5 -30,55.5 -29,55.5 -28,55.5 -27,55.5 -26,55.5 -25,55.5 -24,55.5 -23,55.5 -22,55.5 -21,55.5 0,55.5 1,55.5 2,55.5 3,55.5 4,55.5 5,55.5 6,55.5 7,55.5 8,55.5 9,55.5 10,55.5 11,55.5 12,55.5 13,55.5 34,55.5 35,55.5 36,55.5 37,55.5 38,55.5 39,55.5 40,55.5 41,55.5 42,55.5 43,55.5 44,55.5 45,55.5 46,55.5 47,55.5 -52,62 -51,62 -50,62 -49,62 -48,62 -47,62 -46,62 -45,62 -44,62 43.5,62 44.5,62 45.5,62 46.5,62 47.5,62 48.5,62 49.5,62 50.5,62 51.5,62 -51.5,62.5 -50.5,62.5 -49.5,62.5 -48.5,62.5 -47.5,62.5 -46.5,62.5 -45.5,62.5 -44.5,62.5 -43.5,62.5 44,62.5 45,62.5 46,62.5 47,62.5 48,62.5 49,62.5 50,62.5 51,62.5 52,62.5 -52,63 -51,63 -50,63 -49,63 -48,63 -47,63 -46,63 -45,63 -44,63 43.5,63 44.5,63 45.5,63 46.5,63 47.5,63 48.5,63 49.5,63 50.5,63 51.5,63 -51.5,63.5 -50.5,63.5 -49.5,63.5 -48.5,63.5 -47.5,63.5 -46.5,63.5 -45.5,63.5 -44.5,63.5 -43.5,63.5 44,63.5 45,63.5 46,63.5 47,63.5 48,63.5 49,63.5 50,63.5 51,63.5 52,63.5 -52,64 -51,64 -50,64 -49,64 -48,64 -47,64 -46,64 -45,64 -44,64 43.5,64 44.5,64 45.5,64 46.5,64 47.5,64 48.5,64 49.5,64 50.5,64 51.5,64 -51.5,64.5 -50.5,64.5 -49.5,64.5 -48.5,64.5 -47.5,64.5 -46.5,64.5 -45.5,64.5 -44.5,64.5 -43.5,64.5 44,64.5 45,64.5 46,64.5 47,64.5 48,64.5 49,64.5 50,64.5 51,64.5 52,64.5 -52,65 -51,65 -50,65 -49,65 -48,65 -47,65 -46,65 -45,65 -44,65 43.5,65 44.5,65 45.5,65 46.5,65 47.5,65 48.5,65 49.5,65 50.5,65 51.5,65 -51.5,65.5 -50.5,65.5 -49.5,65.5 -48.5,65.5 -47.5,65.5 -46.5,65.5 -45.5,65.5 -44.5,65.5 -43.5,65.5 44,65.5 45,65.5 46,65.5 47,65.5 48,65.5 49,65.5 50,65.5 51,65.5 52,65.5 -52,66 -51,66 -50,66 -49,66 -48,66 -47,66 -46,66 -45,66 -44,66 43.5,66 44.5,66 45.5,66 46.5,66 47.5,66 48.5,66 49.5,66 50.5,66 51.5,66